# Altium PCB SoBQ.PcbDoc (part 4 of 4)
Units mil, origin at the board's own origin, x right, y up, seen from the top; angles counter-clockwise.
Board outline 16169.25 x 5124.03 mil, 2 copper layers (L1, L2), stack 62.8 mil thick; 313 components, 247 nets, 1579 pads, 489 vias.
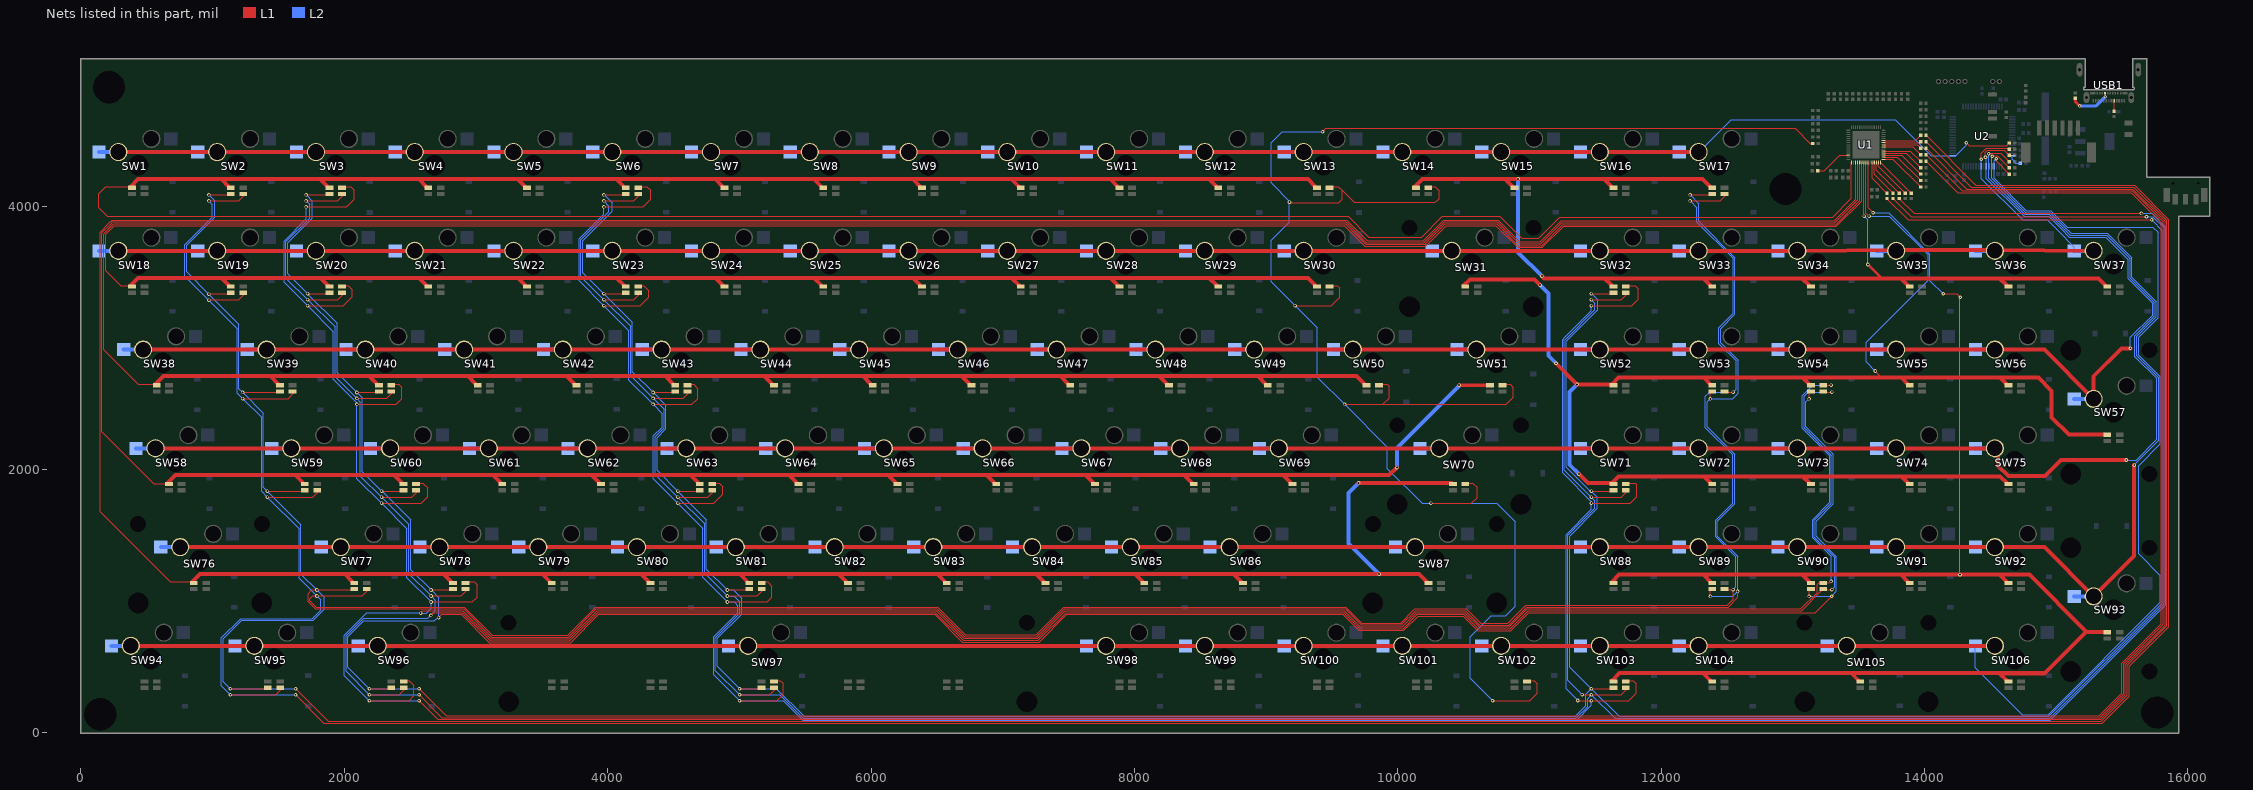
[diagram p4: the nets of this part, all layers, seen from the top]

## Via types
v1: diameter 27, hole 15, L1 to L2, 406 vias
v2: diameter 27, hole 13, L1 to L2, tented both sides, 41 vias
v3: diameter 27, hole 13, L1 to L2, 36 vias
v4: diameter 20, hole 10, L1 to L2, 4 vias
v5: diameter 30, hole 15, L1 to L2, 2 vias

## Nets (pads, with @x,y where several pads share a name; then routed paths per layer and width w, separated by ;. In a path a pad name is that pad's centre, name@x,y a point inside that pad or via, vN(x,y) a via of type N, cw(c..) or ccw(c..) an arc to the next point about the centre after c; other vN are vias at no path point) (continued)
NetR27_2: R27.2 SW13.B SW14.B SW30.B SW50.B SW51.B SW70.B SW102.B | length 14686.5
  L1 w8: v1(9178,4032) 9181.5,4028.5 9553.5,4028.5 9577,4052 9577,4121 ; v1(9221,3244.98) 9493.98,3244.98 9559,3310 9559,3380 9542,3397 SW30.B@9494.05,3397 ; v1(9429,4566) 9453.9,4590.9 13018,4590.9 13132.62,4476.27 R27.2@13150.72,4476.27 ; SW13.B@9497.05,4150 9548,4150 9577,4121 ; v1(9596,2494.98) 9887.98,2494.98 ; SW50.B@9869.05,2647 9920,2647 9934,2633 9934,2541 9887.98,2494.98 ; SW14.B@10244.05,4147 10286,4147 10314,4119 10314,4059 10285,4030 9668,4030 9577,4121 ; v1(10252.25,1744.98) 10559.98,1744.98 10602,1787 10602,1866 10571,1897 SW70.B@10525.3,1897 ; v1(10721,244.98) 11003.98,244.98 11061,302 11061,373 11037,397 SW102.B@10994.05,397 ; SW51.B@10806.55,2647 10855,2647 10879,2623 10879,2550 10823.98,2494.98 9887.98,2494.98
  L2 w8: v1(9429,4566) 9124.4,4566 9039,4480.6 9039,4176.98 9183.98,4032 v1(9178,4032) 9178,3879.6 9040,3741.6 9040,3425.98 v1(9221,3244.98) 9389,3076.98 9389,2701.98 v1(9596,2494.98) 9922,2168.98 9922,2007.4 10184.43,1744.98 v1(10252.25,1744.98) 10752.02,1744.98 10893,1604 10893,963 10822,892 10708.4,892 10549,732.6 10549,416.98 v1(10721,244.98)
NetR28_1: R28.1 SW2.G SW17.G SW19.G SW39.G SW53.G SW59.G SW77.G SW89.G SW95.G | length 43143.4
  L1 w8: v1@971,3290.48 1198.55,3290.48 SW19.G@1244.05,3335.98 ; v1(971,4040.48) 1198.55,4040.48 SW2.G@1244.05,4085.98 ; v1(1135.34,290.48) 1480.18,290.48 SW95.G@1525.68,335.98 ; v1(1228.71,2540) 1573.08,2540 SW39.G@1619.05,2585.98 ; v1(1416.21,1790.48) 1761.05,1790.48 SW59.G@1806.55,1835.98 ; v1(1630.38,290.48) 1845.85,75 15348.99,75 15554,280.01 15554,507.01 15855,808.01 15855,3899.23 15595.23,4159 14391.35,4159 R28.1@14012.11,4538.23 ; SW77.G@2182.05,1085.98 2136.55,1040.48 v1(1791.71,1040.48) 1760.48,1040.48 1739,1019 1739,1002.85 1785.85,956 2912.2,956 3125.2,743 3695.4,743 3908.4,956 6506,956 6716,746 7254,746 7464,956 9606.2,956 9727.2,835 10022.8,835 10130.8,943 10520.2,943 10629.2,834 10836.8,834 10972.8,970 12503,970 12547,1014 v1(12547,1089) SW89.G@12497.08,1089 ; v1(12221,4040.48) 12448.55,4040.48 SW17.G@12494.05,4085.98 ; SW53.G@12497.08,2589 v1(12547,2589)
  L2 w8: v1@979.52,4040.48 v1(971,4040.48) 998,4013.48 998,3917.8 789,3708.8 789,3468 1186,3071 1186,2582 v1@1228.36,2539.64 ; v1(1228.71,2540) 1372,2396.71 1372,1834.69 v1(1416.21,1790.48) 1657,1549.69 1657,1175.19 v1(1791.71,1040.48) 1819.86,1012.33 1819.86,931.66 1757.2,869 1214.2,869 1067,721.8 1067,358.82 v1(1135.34,290.48) v1(1630.38,290.48) ; v1(12221,4040.48) 12272,3989.48 12272,3879.8 12547,3604.8 12547,3186.2 12438,3077.2 12438,2957.8 12570,2825.8 12570,2612 v1(12547,2589) 12368,2589 12336,2557 12336,2319.8 12544,2111.8 12544,1745.2 12414,1615.2 12414,1489.8 12567,1336.8 12567,1109 v1(12547,1089)
  other v1: 971,3287.5
NetR28_2: R28.2 U1.40 | length 297.8
  L1 w8: U1.40@13689.44,4498.5 13931.04,4498.5 R28.2@13970.78,4538.23
NetR29_1: R29.1 SW2.R SW17.R SW19.R SW39.R SW53.R SW59.R SW77.R SW89.R SW95.R | length 42499.8
  L1 w8: v1@971,3335.98 SW19.R@1125.94,3335.98 ; v1(971,4085.98) SW2.R@1125.94,4085.98 ; v1(1135.34,335.98) SW95.R@1407.57,335.98 ; v1(1228.71,2587) 1499.92,2587 SW39.R@1500.94,2585.98 ; v1(1416.21,1835.98) SW59.R@1688.44,1835.98 ; v1(1630.38,335.98) 1877.35,89 15343.2,89 15540,285.8 15540,512.8 15841,813.8 15841,3893.43 15589.43,4145 14356.42,4145 R29.1@14012.11,4489.31 ; SW77.R@2063.94,1085.98 v1(1791.71,1085.98) 1751.98,1085.98 1725,1059 1725,997.05 1780.05,942 2906.4,942 3119.4,729 3701.2,729 3914.2,942 6500.2,942 6710.2,732 7259.8,732 7469.8,942 9600.4,942 9721.4,821 10028.6,821 10136.6,929 10514.4,929 10623.4,820 10842.6,820 10978.6,956 12508.8,956 12582,1029.2 v1(12582,1075) ; v1(12221,4085.98) SW17.R@12375.94,4085.98 ; v1(12374,1038) SW89.R@12374,1079.97 ; v1(12374,2538) SW53.R@12374,2579.97
  L2 w8: v1(971,4085.98) 1015,4041.98 1015,3915 803,3703 803,3501 v1(971,3333) 1200,3104 1200,2615.71 v1(1228.71,2587) 1386,2429.71 1386,1866.19 v1(1416.21,1835.98) 1671,1581.19 1671,1206.69 v1(1791.71,1085.98) 1848,1029.69 1848,940 1763,855 1220,855 1081,716 1081,390.32 v1(1135.34,335.98) v1(1630.38,335.98) ; v1(12221,4085.98) 12286,4020.98 12286,3885.6 12561,3610.6 12561,3180.4 12452,3071.4 12452,2963.6 12585,2830.6 12585,2580 12543,2538 v1(12374,2538) 12350,2514 12350,2325.6 12558,2117.6 12558,1739.4 12428,1609.4 12428,1495.6 12582,1341.6 v1(12582,1075) 12545,1038 v1(12374,1038)
NetR29_2: R29.2 U1.39 | length 284.1
  L1 w8: U1.39@13689.44,4482.75 13964.22,4482.75 R29.2@13970.78,4489.31
NetR30_1: R30.1 SW3.B SW20.B SW40.B SW54.B SW60.B SW78.B SW90.B SW96.B | length 40590
  L1 w8: v1(1721,3244.98) 1992.98,3244.98 2060,3312 2060,3367 2030,3397 SW20.B@1994.05,3397 ; v1@1721,3994.98 2019.98,3994.98 2077,4052 2077,4121 2048,4150 SW3.B@1997.05,4150 ; v1(2096,2494.98) 2392.98,2494.98 2435,2537 2435,2627 2415,2647 SW40.B@2369.05,2647 ; v1(2190.13,244.98) 2492.98,244.98 2529,281 2529,361 2493,397 SW96.B@2463.18,397 ; v1(2283.5,1744.98) 2284.52,1746 2584,1746 2632,1794 2632,1862 2597,1897 SW60.B@2556.55,1897 ; v1(2567.88,244.98) 2709.85,103 15337.4,103 15526,291.6 15526,518.6 15827,819.6 15827,3887.63 15583.63,4131 14321.5,4131 R30.1@14012.11,4440.39 ; v1(2579,910) 2597,928 2900.6,928 3113.6,715 3707,715 3920,928 6494.4,928 6704.4,718 7265.6,718 7475.6,928 9594.6,928 9715.6,807 10034.4,807 10142.4,915 10508.6,915 10617.6,806 10848.4,806 10984.4,942 13061.23,942 13185,1065.77 13185,1127 13198.35,1140.35 SW90.B@13232.24,1140.35 13280.35,1140.35 v3(13291,1151) ; v1(2659,994.98) 2971.98,994.98 3009,1032 3009,1124 2986,1147 SW78.B@2932.05,1147 ; SW54.B@13243.05,2646 13248.05,2641 v1(13292,2641)
  L2 w8: v1(1711,3994.98) 1711,3903.6 1543,3735.6 1543,3422.98 v1(1721,3244.98) 1917,3048.98 1917,2686.24 2096,2507.24 v1(2096,2494.98) 2096,1932.48 v1(2283.5,1744.98) 2476,1552.48 2476,1177.98 v1(2659,994.98) 2659,946 2623,910 v1(2579,910) ; v1(2567.88,244.98) v1(2190.13,244.98) 1999,436.1 1999,742.6 2171.38,914.98 v1@2579,914.98 ; v3(13291,1151) 13291,1341 13150,1482 13150,1621 13280,1751 13280,2105 13072,2313 13072,2562.8 13150.2,2641 v1(13292,2641)
NetR30_2: R30.2 U1.38 | length 292.4
  L1 w8: U1.38@13689.44,4467 13944.16,4467 R30.2@13970.78,4440.39
NetR31_1: R31.1 SW3.G SW20.G SW40.G SW54.G SW60.G SW78.G SW90.G SW96.G | length 39100.5
  L1 w8: v1(1721,3290.48) 1948.55,3290.48 SW20.G@1994.05,3335.98 ; v1@1721,4040.48 1948.55,4040.48 SW3.G@1994.05,4085.98 ; v1(2096,2540.48) 2323.55,2540.48 SW40.G@2369.05,2585.98 ; v1(2190.13,290.48) 2417.68,290.48 SW96.G@2463.18,335.98 ; v1(2283.5,1790.48) 2511.05,1790.48 SW60.G@2556.55,1835.98 ; v1(2567.88,290.48) 2741.35,117 15331.6,117 15512,297.4 15512,524.4 15813,825.4 15813,3881.83 15577.83,4117 14286.58,4117 R31.1@14012.11,4391.46 ; v1(2657,894) 2677,914 2894.8,914 3107.8,701 3712.8,701 3925.8,914 6488.6,914 6698.6,704 7271.4,704 7481.4,914 9588.8,914 9709.8,793 10040.2,793 10148.2,901 10502.8,901 10611.8,792 10854.2,792 10990.2,928 13067.03,928 13225.01,1085.98 SW90.G@13244.05,1085.98 ; v1(2659,1040.48) 2886.55,1040.48 SW78.G@2932.05,1085.98 ; SW90.G@13247.08,1089 v1(13297,1089) ; SW54.G@13247.08,2589 v1(13297,2589)
  L2 w8: v1(1711,4040.48) 1737,4014.48 1737,3909.8 1557,3729.8 1557,3454.48 v1(1721,3290.48) 1722.52,3292 1931,3083.52 1931,2705.48 v1(2096,2540.48) 2123,2513.48 2123,1950.98 v1(2283.5,1790.48) 2490,1583.98 2490,1209.48 v1(2659,1040.48) 2692,1007.48 2692,929 v1(2657,894) 2635,872 2148.2,872 2013,736.8 2013,467.6 v1(2190.13,290.48) v1(2567.88,290.48) ; v1(13297,1089) 13317,1109 13317,1334.8 13164,1487.8 13164,1615.2 13294,1745.2 13294,2110.8 13086,2318.8 13086,2557 13118,2589 v1(13297,2589)
NetR31_2: R31.2 U1.37 | length 306.1
  L1 w8: U1.37@13689.44,4451.25 13910.99,4451.25 R31.2@13970.78,4391.46
NetR32_1: R32.1 SW3.R SW20.R SW40.R SW54.R SW60.R SW78.R SW90.R SW96.R | length 38250.8
  L1 w8: v1(1721,3335.98) SW20.R@1875.94,3335.98 ; v1@1721,4085.98 SW3.R@1875.94,4085.98 ; v1(2096,2585.98) SW40.R@2250.94,2585.98 ; v1(2190.13,335.98) SW96.R@2345.07,335.98 ; v1(2283.5,1835.98) SW60.R@2438.44,1835.98 ; v1(2567.88,335.98) 2772.85,131 15325.8,131 15498,303.2 15498,530.2 15799,831.2 15799,3876.03 15572.03,4103 14251.65,4103 R32.1@14012.11,4342.54 ; v1(2659,1085.98) SW78.R@2813.94,1085.98 ; v1(2716,876) 2740,900 2889,900 3102,687 3718.6,687 3931.6,900 6482.8,900 6692.8,690 7277.2,690 7487.2,900 9583,900 9704,779 10045.99,779 10153.99,887 10497.01,887 10606.01,778 10860,778 10996,914 13171,914 v3(13295,1038) ; v1(13124,1038) SW90.R@13124,1079.97 ; v1(13124,2538) SW54.R@13124,2579.97
  L2 w8: v1(1711,4085.98) 1757,4039.98 1757,3910 1571,3724 1571,3485.98 v1(1721,3335.98) 1728.02,3343 1728.02,3328.95 1945,3111.98 1945,2736.98 v1(2096,2585.98) 2137,2544.98 2137,1982.48 v1(2283.5,1835.98) 2285.52,1838 2504,1619.52 2504,1240.98 v1(2659,1085.98) 2716,1028.98 v1(2716,876) ; v1(2567.88,335.98) v1(2190.13,335.98) 2027,499.1 2027,731 2147,851 2685,851 v1@2713,879 ; v1(13124,1038) v3(13295,1038) 13332,1075 13332,1339.6 13178,1493.6 13178,1609.4 13308,1739.4 13308,2116.6 13100,2324.6 13100,2514 v1(13124,2538)
NetR32_2: R32.2 U1.35 | length 313.3
  L1 w8: U1.35@13689.44,4419.76 13893.56,4419.76 R32.2@13970.78,4342.54
NetR33_2: R33.2 U1.34 | length 327.1
  L1 w8: U1.34@13689.44,4404.01 13860.38,4404.01 R33.2@13970.78,4293.62
NetR35_1: R35.1 U1.13 | length 282.2
  L1 w8: R35.1@13188.91,4270 13240.5,4270 13358.5,4388 13421.85,4388 U1.13@13422.11,4388.26
NetR36_2: R36.2 U1.33 | length 340.8
  L1 w8: U1.33@13689.44,4388.26 13827.21,4388.26 R36.2@13970.78,4244.69
NetR37_2: R37.2 U1.32 | length 354.5
  L1 w8: U1.32@13689.44,4372.51 13794.03,4372.51 R37.2@13970.78,4195.77
NetR38_2: R38.2 U1.31 | length 368.3
  L1 w8: U1.31@13689.44,4356.76 13760.86,4356.76 R38.2@13970.78,4146.85
NetR39_2: R39.2 SW94.1 SW95.1 SW96.1 SW97.1 SW98.1 SW99.1 SW100.1 SW101.1 SW102.1 SW103.1 SW104.1 SW105.1 SW106.1 U2.20 | length 22950.3
  L1 w8: v2(14544.49,4360) 14544.49,4344.13 R39.2@14644.62,4244
  L1 w30: SW94.1@379.13,662 SW95.1@1316.63,662 SW96.1@2254.13,662 SW98.1@7785,662 SW99.1@8535,662 SW100.1@9285,662 SW101.1@10035,662 SW102.1@10785,662 SW103.1@11535,662 SW104.1@12285,662 SW105.1@13410,662 SW106.1@14535,662
  L2 w8: SW106.1@14387.36,662 14387.36,496.64 14744.5,139.5 14939.5,139.5 15792,992 15792,1195 15626,1361 15626,2030.2 15792,2196.2 15792,2704.4 15626,2870.4 15626,3007 15774,3155 15774,3801 15734.1,3840.9 15086.08,3840.9 14960.98,3966 14774.29,3966 14529.08,4211.21 U2.20@14529.08,4304.62 14529.08,4344.58 v2(14544.49,4360)
  L2 w30: SW94.1@231.49,662 SW94.1@379.13,662 ; SW95.1@1168.99,662 SW95.1@1316.63,662 ; SW96.1@2106.49,662 SW96.1@2254.13,662 ; SW97.1@4918.61,662 SW97.1@5066.25,662 ; SW98.1@7637.36,662 SW98.1@7785,662 ; SW99.1@8387.36,662 SW99.1@8535,662 ; SW100.1@9137.36,662 SW100.1@9285,662 ; SW101.1@9887.36,662 SW101.1@10035,662 ; SW102.1@10637.36,662 SW102.1@10785,662 ; SW103.1@11387.36,662 SW103.1@11535,662 ; SW104.1@12137.36,662 SW104.1@12285,662 ; SW105.1@13262.36,662 SW105.1@13410,662 ; SW106.1@14387.36,662 SW106.1@14535,662
NetR40_1: R40.1 U1.26 | length 279.9
  L1 w8: U1.26@13603.02,4333.34 13603.02,4212.39 R40.1@13715.39,4100.02
NetR40_2: R40.2 SW6.R SW23.R SW32.R SW43.R SW63.R SW71.R SW81.R SW97.R SW103.R | length 25871.9
  L1 w8: v1(3971,3335.98) SW23.R@4125.94,3335.98 ; v1(3971,4085.98) SW6.R@4125.94,4085.98 ; v1(4346,2585.98) SW43.R@4500.94,2585.98 ; v1(4533.5,1835.98) SW63.R@4688.44,1835.98 ; v1(4909,1085.98) SW81.R@5063.94,1085.98 ; v1(5002.25,335.98) SW97.R@5157.19,335.98 ; v1(11471,335.98) SW103.R@11625.94,335.98 ; v1(11471,1835.98) SW71.R@11625.94,1835.98 ; v1(11471,3335.98) SW32.R@11625.94,3335.98 ; R40.2@13715.39,4058.69 13876.55,3897.53 v2(15724.47,3897.53)
  L2 w8: v1(3971,4085.98) 3973.02,4088 4034,4027.02 4034,3963 3811,3740 3811,3495.98 v1(3971,3335.98) 4188,3118.98 4188,2743.98 v1(4346,2585.98) 4443,2488.98 4443,2312 4375,2244 4375,1994.48 v1(4533.5,1835.98) 4750,1619.48 4750,1244.98 v1(4909,1085.98) 4954.02,1085.98 5017,1023 5017,902 4833,718 4833,505.23 v1(5002.25,335.98) 5281.68,335.98 5492.16,125.5 11347.9,125.5 11428,205.6 11428,292.98 v1(11471,335.98) ; v1(11471,3335.98) 11472.02,3337 11520,3289.02 11520,3214.59 11281.41,2976 11280,2976 11280,2017 11461.02,1835.98 v1(11471,1835.98) 11517,1789.98 11517,1706 11306,1495 11306,500.98 v1(11471,335.98) ; v2(15724.47,3897.53) 15806,3816 15806,986.2 14945.3,125.5 11681.48,125.5 v1(11471,335.98)
NetR41_1: R41.1 U1.27 | length 292.4
  L1 w8: U1.27@13618.77,4333.34 13618.77,4242.65 R41.1@13761.39,4100.02
NetR41_2: R41.2 SW6.G SW23.G SW32.G SW43.G SW63.G SW71.G SW81.G SW97.G SW103.G | length 27065.7
  L1 w8: v1(3971,3290.48) 4198.55,3290.48 SW23.G@4244.05,3335.98 ; v1(3971,4040.48) 4198.55,4040.48 SW6.G@4244.05,4085.98 ; v1(4346,2540.48) 4573.55,2540.48 SW43.G@4619.05,2585.98 ; v1(4533.5,1790.48) 4761.05,1790.48 SW63.G@4806.55,1835.98 ; v1(4909,1040.48) 5136.55,1040.48 SW81.G@5182.05,1085.98 ; v1(5002.25,290.48) 5229.8,290.48 SW97.G@5275.3,335.98 ; v1(11401,291) 11401.52,290.48 v1(11471,290.48) 11698.55,290.48 SW103.G@11744.05,335.98 ; v1(11471,1790.48) 11698.55,1790.48 SW71.G@11744.05,1835.98 ; v1(11471,3290.48) 11698.55,3290.48 SW32.G@11744.05,3335.98 ; R41.2@13761.39,4058.69 13898.59,3921.49 v2(15686.15,3921.49)
  L2 w8: v1(3971,4040.48) 4010.09,4001.38 4010.09,3958.89 3797,3745.8 3797,3464.48 v1(3971,3290.48) 4174,3087.48 4174,2738.18 4175,2737.18 4175,2711.48 v1(4346,2540.48) 4429,2457.48 4429,2317.8 4361,2249.8 4361,1962.98 v1(4533.5,1790.48) 4736,1587.98 4736,1213.48 v1(4909,1040.48) 4910.17,1039.31 4960.69,1039.31 5003,997 5003,907.8 4819,723.8 4819,473.73 v1(5002.25,290.48) 5307.38,290.48 5486.36,111.5 11353.7,111.5 11442,199.8 11442,261.48 v1(11471,290.48) 11649.98,111.5 14951.1,111.5 15820,980.4 15820,3835.23 15734.2,3921.03 15686.6,3921.03 v2(15686.15,3921.49) ; v1(11401,291) 11292,400 11292,1500.8 11498,1706.8 11498,1763.48 v1(11471,1790.48) 11266,1995.48 11266,2981.8 11274.2,2990 11275.61,2990 11498,3212.39 11498,3263.48 v1(11471,3290.48)
NetR42_1: R42.1 U1.28 | length 304.9
  L1 w8: U1.28@13634.52,4333.34 13634.52,4272.9 R42.1@13807.39,4100.02
NetR42_2: R42.2 SW6.B SW23.B SW32.B SW43.B SW63.B SW71.B SW81.B SW97.B SW103.B | length 29072.5
  L1 w8: v1(3971,3244.98) 4245.98,3244.98 4312,3311 4312,3360 4275,3397 SW23.B@4244.05,3397 ; v1(3971,3994.98) 4269.98,3994.98 4327,4052 4327,4121 4298,4150 SW6.B@4247.05,4150 ; v1(4346,2494.98) 4639.98,2494.98 4684,2539 4684,2616 4653,2647 SW43.B@4619.05,2647 ; v1(4533.5,1744.98) 4804.98,1744.98 4873,1813 4873,1871 4847,1897 SW63.B@4806.55,1897 ; v1(4909,994.98) 5212.98,994.98 5248,1030 5248,1115 5216,1147 SW81.B@5182.05,1147 ; v1(5002.25,244.98) 5285.98,244.98 5332,291 5332,377 5312,397 SW97.B@5275.3,397 ; v1(11367,247) 11369.02,244.98 v1(11471,244.98) 11753.98,244.98 11812,303 11812,374 11789,397 SW103.B@11744.05,397 ; v1(11471,1744.98) 11765.98,1744.98 11816,1795 11816,1885 11804,1897 SW71.B@11744.05,1897 ; v1(11471,3244.98) 11777.98,3244.98 11826,3293 11826,3373 11802,3397 SW32.B@11744.05,3397 ; R42.2@13807.39,4058.69 13920.64,3945.44 v2(15647.82,3945.44)
  L2 w8: v1(3971,3994.98) 3971,3939.6 3783,3751.6 3783,3432.98 v1(3971,3244.98) 4160,3055.98 4160,2732.38 4161,2731.38 4161,2679.98 v1(4346,2494.98) 4415,2425.98 4415,2323.6 4347,2255.6 4347,1931.48 v1(4533.5,1744.98) 4722,1556.48 4722,1181.98 v1(4909,994.98) 4961.02,994.98 4989,967 4989,913.6 4805,729.6 4805,442.23 v1(5002.25,244.98) 5333.08,244.98 5480.56,97.5 11359.5,97.5 ; v1(11367,247) 11278,336 11278,1506.6 11471,1699.6 v1(11471,1744.98) 11471,1757.24 11252,1976.24 11252,2987.6 11268.4,3004 11269.82,3004 11471,3205.18 v1(11471,3244.98) ; v1(11471,244.98) 11471,209 11359.5,97.5 ; v2(15647.82,3945.44) 15729.59,3945.44 15834,3841.03 15834,974.6 14956.9,97.5 11359.5,97.5
NetR43_1: R43.1 U1.29 | length 317.5
  L1 w8: U1.29@13650.26,4333.34 13650.26,4303.15 R43.1@13853.39,4100.02
NetR44_1: R44.1 U1.30 | length 330
  L1 w8: U1.30@13666.01,4333.34 13666.08,4333.34 R44.1@13899.39,4100.02
NetR45_2: R45.2 SW76.1 SW77.1 SW78.1 SW79.1 SW80.1 SW81.1 SW82.1 SW83.1 SW84.1 SW85.1 SW86.1 SW87.1 SW88.1 SW89.1 SW90.1 SW91.1 SW92.1 SW93.1 U2.21 | length 21982.1
  L1 w8: v2(14515.83,4379.67) 14519.66,4383.5 14554.23,4383.5 14644.62,4293.11 R45.2@14644.62,4291.4
  L1 w30: SW76.1@754.14,1412 SW77.1@1973,1412 SW78.1@2723,1412 SW79.1@3473,1412 SW80.1@4223,1412 SW81.1@4973,1412 SW82.1@5723,1412 SW83.1@6473,1412 SW84.1@7223,1412 SW85.1@7973,1412 SW86.1@8723,1412 SW87.1@10131.5,1412 SW88.1@11535,1412 SW89.1@12285,1412 SW90.1@13035,1412 SW91.1@13785,1412 SW92.1@14535,1412 14910,1412 SW93.1@15285,1037 15584,1336 15593,1345 v2(15593,2035)
  L2 w8: v2(14515.83,4379.67) 14509.39,4373.23 U2.21@14509.39,4304.62 14509.39,4211.1 14768.49,3952 14955.18,3952 15062.83,3844.35 15062.83,3844.17 15113,3794 15389.4,3794 15576,3607.4 15576,3460 15760,3276 15760,3160.8 15612,3012.8 15612,2864.6 15778,2698.6 15778,2223.4 15593,2038.4 v2(15593,2035)
  L2 w30: SW76.1@606.5,1412 SW76.1@754.14,1412 ; SW77.1@1825.36,1412 SW77.1@1973,1412 ; SW78.1@2575.36,1412 SW78.1@2723,1412 ; SW79.1@3325.36,1412 SW79.1@3473,1412 ; SW80.1@4075.36,1412 SW80.1@4223,1412 ; SW81.1@4825.36,1412 SW81.1@4973,1412 ; SW82.1@5575.36,1412 SW82.1@5723,1412 ; SW83.1@6325.36,1412 SW83.1@6473,1412 ; SW84.1@7075.36,1412 SW84.1@7223,1412 ; SW85.1@7825.36,1412 SW85.1@7973,1412 ; SW86.1@8575.36,1412 SW86.1@8723,1412 ; SW87.1@9983.86,1412 SW87.1@10131.5,1412 ; SW88.1@11387.36,1412 SW88.1@11535,1412 ; SW89.1@12137.36,1412 SW89.1@12285,1412 ; SW90.1@12887.36,1412 SW90.1@13035,1412 ; SW91.1@13637.36,1412 SW91.1@13785,1412 ; SW92.1@14387.36,1412 SW92.1@14535,1412 ; SW93.1@15137.36,1037 SW93.1@15285,1037
NetR47_2: R47.2 SW58.1 SW59.1 SW60.1 SW61.1 SW62.1 SW63.1 SW64.1 SW65.1 SW66.1 SW67.1 SW68.1 SW69.1 SW70.1 SW71.1 SW72.1 SW73.1 SW74.1 SW75.1 U2.22 | length 21399.7
  L1 w8: v2(14487.16,4399.33) 14491,4403.17 14580.25,4403.17 R47.2@14644.62,4338.8
  L1 w30: SW58.1@566.25,2162 SW59.1@1597.5,2162 SW60.1@2347.5,2162 SW61.1@3097.5,2162 SW62.1@3847.5,2162 SW63.1@4597.5,2162 SW64.1@5347.5,2162 SW65.1@6097.5,2162 SW66.1@6847.5,2162 SW67.1@7597.5,2162 SW68.1@8347.5,2162 SW69.1@9097.5,2162 SW70.1@10316.25,2162 SW71.1@11535,2162 SW72.1@12285,2162 SW73.1@13035,2162 SW74.1@13785,2162 SW75.1@14535,2162 14560,2137 14560,2029 14638,1951 14916,1951 15038,2073 v2(15532.86,2073)
  L2 w8: v2(14487.16,4399.33) 14489.71,4396.79 U2.22@14489.71,4304.62 14489.71,4210.98 14762.69,3938 14949.38,3938 15048.83,3838.55 15048.83,3838.37 15107.2,3780 15383.6,3780 15562,3601.6 15562,3454.2 15746,3270.2 15746,3166.6 15598,3018.6 15598,2858.8 15764,2692.8 15764,2229.2 15607.8,2073 v2(15532.86,2073)
  L2 w30: SW58.1@418.61,2162 SW58.1@566.25,2162 ; SW59.1@1449.86,2162 SW59.1@1597.5,2162 ; SW60.1@2199.86,2162 SW60.1@2347.5,2162 ; SW61.1@2949.86,2162 SW61.1@3097.5,2162 ; SW62.1@3699.86,2162 SW62.1@3847.5,2162 ; SW63.1@4449.86,2162 SW63.1@4597.5,2162 ; SW64.1@5199.86,2162 SW64.1@5347.5,2162 ; SW65.1@5949.86,2162 SW65.1@6097.5,2162 ; SW66.1@6699.86,2162 SW66.1@6847.5,2162 ; SW67.1@7449.86,2162 SW67.1@7597.5,2162 ; SW68.1@8199.86,2162 SW68.1@8347.5,2162 ; SW69.1@8949.86,2162 SW69.1@9097.5,2162 ; SW70.1@10168.61,2162 SW70.1@10316.25,2162 ; SW71.1@11387.36,2162 SW71.1@11535,2162 ; SW72.1@12137.36,2162 SW72.1@12285,2162 ; SW73.1@12887.36,2162 SW73.1@13035,2162 ; SW74.1@13637.36,2162 SW74.1@13785,2162 ; SW75.1@14387.36,2162 SW75.1@14535,2162
NetR48_2: R48.2 SW38.1 SW39.1 SW40.1 SW41.1 SW42.1 SW43.1 SW44.1 SW45.1 SW46.1 SW47.1 SW48.1 SW49.1 SW50.1 SW51.1 SW52.1 SW53.1 SW54.1 SW55.1 SW56.1 SW57.1 U2.23 | length 21026.6
  L1 w8: v2(14463.5,4373) 14463.5,4410 14478.5,4425 14605.82,4425 R48.2@14644.62,4386.2
  L1 w30: SW38.1@472.5,2912 SW39.1@1410,2912 SW40.1@2160,2912 SW41.1@2910,2912 SW42.1@3660,2912 SW43.1@4410,2912 SW44.1@5160,2912 SW45.1@5910,2912 SW46.1@6660,2912 SW47.1@7410,2912 SW48.1@8160,2912 SW49.1@8910,2912 SW50.1@9660,2912 SW51.1@10597.5,2912 SW52.1@11535,2912 SW53.1@12285,2912 SW54.1@13035,2912 SW55.1@13785,2912 SW56.1@14535,2912 14910,2912 SW57.1@15285,2537 ; SW57.1@15291,2543 SW57.1@15285,2537 ; v3(15564,2921) 15497,2921 15285,2709 SW57.1@15285,2537
  L2 w8: v2(14463.5,4373) 14470.02,4366.47 U2.23@14470.02,4304.62 14470.02,4210.87 14756.89,3924 14943.59,3924 15034.83,3832.75 15034.83,3832.57 15101.4,3766 15377.8,3766 15548,3595.8 15548,3448.4 15732,3264.4 15732,3172.4 15564,3004.4 v3(15564,2921)
  L2 w30: SW38.1@324.86,2912 SW38.1@472.5,2912 ; SW39.1@1262.36,2912 SW39.1@1410,2912 ; SW40.1@2012.36,2912 SW40.1@2160,2912 ; SW41.1@2762.36,2912 SW41.1@2910,2912 ; SW42.1@3512.36,2912 SW42.1@3660,2912 ; SW43.1@4262.36,2912 SW43.1@4410,2912 ; SW44.1@5012.36,2912 SW44.1@5160,2912 ; SW45.1@5762.36,2912 SW45.1@5910,2912 ; SW46.1@6512.36,2912 SW46.1@6660,2912 ; SW47.1@7262.36,2912 SW47.1@7410,2912 ; SW48.1@8012.36,2912 SW48.1@8160,2912 ; SW49.1@8762.36,2912 SW49.1@8910,2912 ; SW50.1@9512.36,2912 SW50.1@9660,2912 ; SW51.1@10449.86,2912 SW51.1@10597.5,2912 ; SW52.1@11387.36,2912 SW52.1@11535,2912 ; SW53.1@12137.36,2912 SW53.1@12285,2912 ; SW54.1@12887.36,2912 SW54.1@13035,2912 ; SW55.1@13637.36,2912 SW55.1@13785,2912 ; SW56.1@14387.36,2912 SW56.1@14535,2912 ; SW57.1@15137.36,2537 SW57.1@15285,2537
NetR49_2: R49.2 SW18.1 SW19.1 SW20.1 SW21.1 SW22.1 SW23.1 SW24.1 SW25.1 SW26.1 SW27.1 SW28.1 SW29.1 SW30.1 SW31.1 SW32.1 SW33.1 SW34.1 SW35.1 SW36.1 SW37.1 U2.25 | length 19328.3
  L1 w8: v2(14430.5,4358) 14430.5,4401.94 14469.55,4441 14637.22,4441 R49.2@14644.62,4433.6
  L1 w30: SW18.1@285,3662 SW19.1@1035,3662 SW20.1@1785,3662 SW21.1@2535,3662 SW22.1@3285,3662 SW23.1@4035,3662 SW24.1@4785,3662 SW25.1@5535,3662 SW26.1@6285,3662 SW27.1@7035,3662 SW28.1@7785,3662 SW29.1@8535,3662 SW30.1@9285,3662 SW31.1@10410,3662 SW32.1@11535,3662 SW33.1@12285,3662 SW34.1@13035,3662 13784.97,3666.96 13791,3667 14541,3667 SW37.1@15285,3662
  L2 w8: v2(14430.5,4358) 14430.65,4357.84 U2.25@14430.65,4304.62 14430.65,4210.64 14745.29,3896 14931.99,3896 15006.83,3821.15 15006.83,3820.97 15137.36,3690.44 SW37.1@15137.36,3662
  L2 w30: SW18.1@137.36,3662 SW18.1@285,3662 ; SW19.1@887.36,3662 SW19.1@1035,3662 ; SW20.1@1637.36,3662 SW20.1@1785,3662 ; SW21.1@2387.36,3662 SW21.1@2535,3662 ; SW22.1@3137.36,3662 SW22.1@3285,3662 ; SW23.1@3887.36,3662 SW23.1@4035,3662 ; SW24.1@4637.36,3662 SW24.1@4785,3662 ; SW25.1@5387.36,3662 SW25.1@5535,3662 ; SW26.1@6137.36,3662 SW26.1@6285,3662 ; SW27.1@6887.36,3662 SW27.1@7035,3662 ; SW28.1@7637.36,3662 SW28.1@7785,3662 ; SW29.1@8387.36,3662 SW29.1@8535,3662 ; SW30.1@9137.36,3662 SW30.1@9285,3662 ; SW31.1@10262.36,3662 SW31.1@10410,3662 ; SW32.1@11387.36,3662 SW32.1@11535,3662 ; SW33.1@12137.36,3662 SW33.1@12285,3662 ; SW34.1@12887.36,3662 SW34.1@13035,3662 ; SW35.1@13637.36,3662 SW35.1@13785,3662 ; SW36.1@14387.36,3662 SW36.1@14535,3662 ; SW37.1@15137.36,3662 SW37.1@15285,3662
NetR50_2: R50.2 SW1.1 SW2.1 SW3.1 SW4.1 SW5.1 SW6.1 SW7.1 SW8.1 SW9.1 SW10.1 SW11.1 SW12.1 SW13.1 SW14.1 SW15.1 SW16.1 SW17.1 U2.33 | length 17155.4
  L1 w8: v2(14318.5,4482) 14340.5,4460 14623.95,4460 14644.62,4480.67 R50.2@14644.62,4481
  L1 w30: SW1.1@285,4412 SW2.1@1035,4412 SW3.1@1785,4412 SW4.1@2535,4412 SW5.1@3285,4412 SW6.1@4035,4412 SW7.1@4785,4412 SW8.1@5535,4412 SW9.1@6285,4412 SW10.1@7035,4412 SW11.1@7785,4412 SW12.1@8535,4412 SW13.1@9285,4412 SW14.1@10035,4412 SW15.1@10785,4412 SW16.1@11535,4412 SW17.1@12285,4412
  L2 w8: SW17.1@12285,4412 12532,4659 13776.5,4659 14052.72,4382.78 U2.33@14213.74,4382.78 ; U2.33@14214.12,4383.36 14238.1,4383.36 14318.5,4463.76 v2(14318.5,4482)
  L2 w30: SW1.1@137.36,4412 SW1.1@285,4412 ; SW2.1@887.36,4412 SW2.1@1035,4412 ; SW3.1@1637.36,4412 SW3.1@1785,4412 ; SW4.1@2387.36,4412 SW4.1@2535,4412 ; SW5.1@3137.36,4412 SW5.1@3285,4412 ; SW6.1@3887.36,4412 SW6.1@4035,4412 ; SW7.1@4637.36,4412 SW7.1@4785,4412 ; SW8.1@5387.36,4412 SW8.1@5535,4412 ; SW9.1@6137.36,4412 SW9.1@6285,4412 ; SW10.1@6887.36,4412 SW10.1@7035,4412 ; SW11.1@7637.36,4412 SW11.1@7785,4412 ; SW12.1@8387.36,4412 SW12.1@8535,4412 ; SW13.1@9137.36,4412 SW13.1@9285,4412 ; SW14.1@9887.36,4412 SW14.1@10035,4412 ; SW15.1@10637.36,4412 SW15.1@10785,4412 ; SW16.1@11387.36,4412 SW16.1@11535,4412 ; SW17.1@12137.36,4412 SW17.1@12285,4412
NetR52_2: R52.2 U2.16 | length 101.1
  L2 w8: U2.16@14666.87,4383.36 14666.87,4355.62 14694.5,4328 R52.2@14728.83,4328
NetR53_2: R53.2 USB1.A5 | length 78.5
  L1 w6: R53.2@15439.5,4722.67 15440.02,4723.19 USB1.A5@15440.02,4801
NetR56_1: R56.1 USB1.B5 | length 325.2
  L1 w6: USB1.B5@15371.12,4861 USB1.B5@15371.12,4857.22 15371.12,4835.9 v4(15374.17,4832.84)
  L1 w20: R56.1@15145.17,4819.33 15145.17,4796 v2(15179.17,4762)
  L2 w25: v2(15179.17,4762) 15303.33,4762 v4(15374.17,4832.84)
NetSW1_A: SW1.A SW2.A SW3.A SW4.A SW5.A SW6.A SW7.A SW8.A SW9.A SW10.A SW11.A SW12.A SW13.A U1.16 | length 24270.6
  L1 w8: SW1.A@375.94,4147 188,4147 135,4094 135,3988.2 200.2,3923 9622.99,3923 9779.99,3766 10182,3766 10339,3923 10773.99,3923 10939.99,3757 11070.01,3757 11230.01,3917 13302.5,3917 13445.54,4060.04 U1.16@13445.54,4333.34
  L1 w30: SW1.A@375.94,4147 434.94,4206 1066.94,4206 ; SW2.A@1125.94,4147 1066.94,4206 ; SW3.A@1875.94,4147 1816.94,4206 ; SW4.A@2625.94,4147 2566.94,4206 ; SW5.A@3375.94,4147 3316.94,4206 ; SW6.A@4125.94,4147 4066.94,4206 ; SW7.A@4875.94,4147 4816.94,4206 ; SW8.A@5625.94,4147 5566.94,4206 ; SW9.A@6375.94,4147 6316.94,4206 ; SW10.A@7125.94,4147 7066.94,4206 ; SW11.A@7875.94,4147 7816.94,4206 ; SW12.A@8625.94,4147 8566.94,4206 ; SW13.A@9375.94,4147 9316.94,4206 8566.94,4206 ; 1066.94,4206 1816.94,4206 ; 1816.94,4206 2566.94,4206 ; 2566.94,4206 3316.94,4206 ; 3316.94,4206 4066.94,4206 ; 4066.94,4206 4816.94,4206 ; 4816.94,4206 5566.94,4206 ; 5566.94,4206 6316.94,4206 ; 6316.94,4206 7066.94,4206 ; 7066.94,4206 7816.94,4206 ; 7816.94,4206 8566.94,4206
NetSW14_A: SW14.A SW15.A SW16.A SW17.A SW32.A SW33.A SW34.A SW35.A SW36.A SW37.A U1.22 | length 8924.8
  L1 w8: U1.22@13540.03,4333.34 13540.03,3926.47 v1(13541.5,3925)
  L1 w20: v1(13571,3558) 13677,3452
  L1 w30: SW14.A@10125.94,4147 10186.94,4208 10814.94,4208 ; SW15.A@10875.94,4147 10814.94,4208 ; v1(11094,3470) 11112,3452 11570.94,3452 ; SW32.A@11625.94,3397 11570.94,3452 ; SW16.A@11625.94,4147 11564.94,4208 ; SW33.A@12375.94,3397 12320.94,3452 ; SW17.A@12375.94,4147 12314.94,4208 11564.94,4208 ; SW34.A@13125.94,3397 13070.94,3452 ; SW35.A@13875.94,3397 13820.94,3452 ; SW36.A@14625.94,3397 14570.94,3452 ; SW37.A@15375.94,3397 15320.94,3452 14570.94,3452 ; 10814.94,4208 v1(10914,4208) 11564.94,4208 ; 11570.94,3452 12320.94,3452 ; 12320.94,3452 13070.94,3452 ; 13070.94,3452 13677,3452 13820.94,3452 ; 13820.94,3452 14570.94,3452
  L2 w8: v1(13541.5,3925) 13569,3897.5 13569,3560 v1(13571,3558)
  L2 w30: v1(10914,4208) 10914,3650 v1(11094,3470)
NetSW18_A: SW18.A SW19.A SW20.A SW21.A SW22.A SW23.A SW24.A SW25.A SW26.A SW27.A SW28.A SW29.A SW30.A U1.21 | length 24463.6
  L1 w8: SW18.A@375.94,3397 302,3397 188,3511 188,3787 254,3853 9594,3853 9751,3696 10210.99,3696 10367.99,3853 10745,3853 10911,3687 11099,3687 11259,3847 13331.5,3847 13524.28,4039.78 U1.21@13524.28,4333.34
  L1 w30: SW18.A@375.94,3397 433.94,3455 1067.94,3455 ; SW19.A@1125.94,3397 1067.94,3455 ; SW20.A@1875.94,3397 1817.94,3455 ; SW21.A@2625.94,3397 2567.94,3455 ; SW22.A@3375.94,3397 3317.94,3455 ; SW23.A@4125.94,3397 4067.94,3455 ; SW24.A@4875.94,3397 4817.94,3455 ; SW25.A@5625.94,3397 5567.94,3455 ; SW26.A@6375.94,3397 6317.94,3455 ; SW27.A@7125.94,3397 7067.94,3455 ; SW28.A@7875.94,3397 7817.94,3455 ; SW29.A@8625.94,3397 8567.94,3455 ; SW30.A@9375.94,3397 9317.94,3455 8567.94,3455 ; 1067.94,3455 1817.94,3455 ; 1817.94,3455 2567.94,3455 ; 2567.94,3455 3317.94,3455 ; 3317.94,3455 4067.94,3455 ; 4067.94,3455 4817.94,3455 ; 4817.94,3455 5567.94,3455 ; 5567.94,3455 6317.94,3455 ; 6317.94,3455 7067.94,3455 ; 7067.94,3455 7817.94,3455 ; 7817.94,3455 8567.94,3455
NetSW31_A: SW31.A SW52.A SW53.A SW54.A SW55.A SW56.A SW57.A SW71.A SW72.A SW73.A SW74.A SW75.A U1.23 | length 12550.8
  L1 w8: U1.23@13555.78,4333.34 13555.78,3948.72 v1(13579.5,3925) ; v1(13627,2749) 13677,2699
  L1 w30: SW31.A@10500.94,3397 10548.94,3445 11037,3445 v1(11081,3401) ; v1(11202,2808) v1(11363,2647) 11625.94,2647 11677.94,2699 12323.94,2699 ; v1(11376,1966) 11445,1897 11625.94,1897 11677.94,1949 12323.94,1949 ; SW72.A@12375.94,1897 12323.94,1949 ; SW53.A@12375.94,2647 12323.94,2699 ; SW73.A@13125.94,1897 13073.94,1949 ; SW54.A@13125.94,2647 13073.94,2699 ; SW74.A@13875.94,1897 13823.94,1949 ; SW55.A@13875.94,2647 13823.94,2699 ; SW75.A@14625.94,1897 14573.94,1949 13823.94,1949 ; SW56.A@14625.94,2647 14573.94,2699 ; SW57.A@15369.29,2265.35 15096.65,2265.35 14966,2396 14966,2598 14865,2699 14573.94,2699 ; 12323.94,1949 13073.94,1949 ; 12323.94,2699 13073.94,2699 ; 13073.94,1949 13823.94,1949 ; 13073.94,2699 13677,2699 13823.94,2699 ; 13823.94,2699 14573.94,2699
  L2 w8: v1(13579.5,3925) 13734,3925 14028,3631 14028,3437.2 13557,2966.2 13557,2819 v1(13627,2749)
  L2 w30: v1(11081,3401) 11145,3337 11145,2865 v1(11202,2808) ; v1(11363,2647) 11305,2589 11305,2037 v1(11376,1966)
NetSW38_A: SW38.A SW39.A SW40.A SW41.A SW42.A SW43.A SW44.A SW45.A SW46.A SW47.A SW48.A SW49.A SW50.A U1.20 | length 25597.5
  L1 w8: SW38.A@563.44,2647 437,2647 173,2911 173,3791.97 236.03,3855 236.2,3855 248.2,3867 9599.8,3867 9756.8,3710 10205.2,3710 10362.2,3867 10750.8,3867 10916.8,3701 11093.2,3701 11253.2,3861 13325.7,3861 13508.53,4043.84 U1.20@13508.53,4333.34
  L1 w30: SW38.A@563.44,2647 626.44,2710 1437.94,2710 ; SW39.A@1500.94,2647 1437.94,2710 ; SW40.A@2250.94,2647 2187.94,2710 ; SW41.A@3000.94,2647 2937.94,2710 ; SW42.A@3750.94,2647 3687.94,2710 ; SW43.A@4500.94,2647 4437.94,2710 ; SW44.A@5250.94,2647 5187.94,2710 ; SW45.A@6000.94,2647 5937.94,2710 ; SW46.A@6750.94,2647 6687.94,2710 ; SW47.A@7500.94,2647 7437.94,2710 ; SW48.A@8250.94,2647 8187.94,2710 ; SW49.A@9000.94,2647 8937.94,2710 ; SW50.A@9750.94,2647 9687.94,2710 8937.94,2710 ; 1437.94,2710 2187.94,2710 ; 2187.94,2710 2937.94,2710 ; 2937.94,2710 3687.94,2710 ; 3687.94,2710 4437.94,2710 ; 4437.94,2710 5187.94,2710 ; 5187.94,2710 5937.94,2710 ; 5937.94,2710 6687.94,2710 ; 6687.94,2710 7437.94,2710 ; 7437.94,2710 8187.94,2710 ; 8187.94,2710 8937.94,2710
NetSW51_A: SW51.A SW58.A SW59.A SW60.A SW61.A SW62.A SW63.A SW64.A SW65.A SW66.A SW67.A SW68.A SW69.A U1.19 | length 27534.5
  L1 w8: SW58.A@657.19,1897 654.19,1894 552,1894 159,2287 159,3797.77 230.23,3869 230.4,3869 242.4,3881 9605.6,3881 9762.6,3724 10199.4,3724 10356.4,3881 10756.6,3881 10922.6,3715 11087.4,3715 11247.4,3875 13319.9,3875 13492.78,4047.89 U1.19@13492.78,4333.34
  L1 w30: SW58.A@657.19,1897 718.19,1958 1627.44,1958 ; SW59.A@1688.44,1897 1627.44,1958 ; SW60.A@2438.44,1897 2377.44,1958 ; SW61.A@3188.44,1897 3127.44,1958 ; SW62.A@3938.44,1897 3877.44,1958 ; SW63.A@4688.44,1897 4627.44,1958 ; SW64.A@5438.44,1897 5377.44,1958 ; SW65.A@6188.44,1897 6127.44,1958 ; SW66.A@6938.44,1897 6877.44,1958 ; SW67.A@7688.44,1897 7627.44,1958 ; SW68.A@8438.44,1897 8377.44,1958 ; SW69.A@9188.44,1897 9127.44,1958 ; v1(9993,2016) 9935,1958 9127.44,1958 ; v1(10467,2641) 10680.44,2641 SW51.A@10681.44,2640 ; 1627.44,1958 2377.44,1958 ; 2377.44,1958 3127.44,1958 ; 3127.44,1958 3877.44,1958 ; 3877.44,1958 4627.44,1958 ; 4627.44,1958 5377.44,1958 ; 5377.44,1958 6127.44,1958 ; 6127.44,1958 6877.44,1958 ; 6877.44,1958 7627.44,1958 ; 7627.44,1958 8377.44,1958 ; 8377.44,1958 9127.44,1958
  L2 w30: v1(9993,2016) 9993,2165 10468,2640 v1(10467,2641)
NetSW70_A: SW70.A SW76.A SW77.A SW78.A SW79.A SW80.A SW81.A SW82.A SW83.A SW84.A SW85.A SW86.A SW87.A U1.18 | length 28831.1
  L1 w8: SW76.A@845.08,1147 677,1147 145,1679 145,3803.57 224.43,3883 224.6,3883 236.6,3895 9611.4,3895 9768.4,3738 10193.6,3738 10350.6,3895 10762.4,3895 10928.4,3729 11081.6,3729 11241.6,3889 13314.1,3889 13477.04,4051.94 U1.18@13477.04,4333.34
  L1 w30: SW76.A@845.08,1147 905.08,1207 2003.94,1207 ; SW77.A@2063.94,1147 2003.94,1207 ; SW78.A@2813.94,1147 2753.94,1207 ; SW79.A@3563.94,1147 3503.94,1207 ; SW80.A@4313.94,1147 4253.94,1207 ; SW81.A@5063.94,1147 5003.94,1207 ; SW82.A@5813.94,1147 5753.94,1207 ; SW83.A@6563.94,1147 6503.94,1207 ; SW84.A@7313.94,1147 7253.94,1207 ; SW85.A@8063.94,1147 8003.94,1207 ; SW86.A@8813.94,1147 8753.94,1207 ; v1(9703,1899) 10405.19,1899 SW70.A@10407.19,1897 ; SW87.A@10222.44,1147 10162.44,1207 v1(9859,1207) 8753.94,1207 ; 2003.94,1207 2753.94,1207 ; 2753.94,1207 3503.94,1207 ; 3503.94,1207 4253.94,1207 ; 4253.94,1207 5003.94,1207 ; 5003.94,1207 5753.94,1207 ; 5753.94,1207 6503.94,1207 ; 6503.94,1207 7253.94,1207 ; 7253.94,1207 8003.94,1207 ; 8003.94,1207 8753.94,1207
  L2 w30: v1(9703,1899) 9701,1899 9626,1824 9626,1440 v1(9859,1207)
NetSW88_A: SW88.A SW89.A SW90.A SW91.A SW92.A SW93.A SW103.A SW104.A SW105.A SW106.A U1.24 | length 12163.7
  L1 w8: U1.24@13571.52,4333.34 13571.52,3989.97 v3(13610,3951.5) ; v3(14143,3335) 14246,3335 v3(14271,3310)
  L1 w30: SW103.A@11625.94,397 11682.94,454 12318.94,454 ; SW88.A@11625.94,1147 11680.94,1202 12320.94,1202 ; SW104.A@12375.94,397 12318.94,454 ; SW89.A@12375.94,1147 12320.94,1202 ; SW90.A@13125.94,1147 13070.94,1202 ; SW105.A@13500.94,397 13443.94,454 ; SW91.A@13875.94,1147 13820.94,1202 ; SW106.A@14625.94,397 14570.94,452 14912,452 14914,454 ; SW92.A@14625.94,1147 14570.94,1202 ; 15228,772 14798,1202 14570.94,1202 ; SW93.A@15387.76,765.35 15230.65,765.35 15228,768 14914,454 ; 12318.94,454 13443.94,454 ; 12320.94,1202 13070.94,1202 ; 13070.94,1202 13820.94,1202 ; 13443.94,454 14914,454 ; 13820.94,1202 v1(14270,1202) 14570.94,1202
  L2 w8: v3(13610,3951.5) 13727.3,3951.5 14042,3636.8 14042,3436 v3(14143,3335) ; v1@14268,1202 v3@14268,3310
pads on no net: E1. OLED1. OLED1.6 R52.1 SW1. SW2. SW3. SW4. SW5. SW6. SW7. SW8. SW9. SW10. SW11. SW12. SW13. SW14. SW15. SW16. SW17. SW18. SW19. SW20. SW21. SW22. SW23. SW24. SW25. SW26. SW27. SW28. SW29. SW30. SW31. SW32. SW33. SW34. SW35. SW36. SW37. SW38. SW39. SW40. SW41. SW42. SW43. SW44. SW45. SW46. SW47. SW48. SW49. SW50. SW51. SW52. SW53. SW54. SW55. SW56. SW57. SW58. SW59. SW60. SW61. SW62. SW63. SW64. SW65. SW66. SW67. SW68. SW69. SW70. SW71. SW72. SW73. SW74. SW75. SW76. SW77. SW78. SW79. SW80. SW81. SW82. SW83. SW84. SW85. SW86. SW87. SW88. SW89. SW90. SW91. SW92. SW93. SW94. SW95. SW96. SW97. SW98. SW99. SW100. SW101. SW102. SW103. SW104. SW105. SW106. U2.2 U2.3 U2.4 U2.8 U2.9 U2.10 U2.11 U2.17 USB1.A2 USB1.A3 USB1.A8 USB1.A10 USB1.A11 USB1.B2 USB1.B3 USB1.B8 USB1.B10 USB1.B11

## Polygon pours and split planes (outlines as drawn)
3V3 on L1 "L1-3V3" (solid, remove dead copper, pour order 4): 14850.81,4912.02 14850.81,4071.31 14066.81,4058.4 14066.81,4912.02
5V on L1 "L1-No Net" (solid, remove dead copper, pour order 18): 15430.43,4142 13483,4142 13483,3838 15430.43,3838
no net on L1 "L1-No Net 1" (solid, pour order 16): 13534.95,3896
5V on L1 "L1-5V 1" (solid, pour order 14): 13274,4162 13445.36,4162 13445.36,4068.47 13309.89,3933 13274,3933
5V on L1 "L1-5V" (solid, remove dead copper, pour order 12): 15265,4578.86 15805.46,4578.86 15805.46,4306 15265,4306
NetF1_1 on L1 "L1-NetF1_1" (solid, remove dead copper, pour order 10): 15803.24,4598 15803.35,4735.5 15803.38,4775 15265,4775 15265,4598
GND on L2 "L2-GND" (solid, remove dead copper, pour order 8): 16295.54,5119 16295.54,3796 13056,3796 13056,5119
5V on L2 "L2-5V" (solid, remove dead copper, pour order 6): 15349,4367 15349,3843.45 15430,3843.45 15430,4367

## Keep-outs
L1:
  lines w5: 13485,3902.13 13595.5,3901.44 13633.5,3939.44 13633.5,3972.66 13625.49,3980.67 13599.83,3980.67 13584.5,3996 13584.5,4043 ; 13633.84,4049.06 13691.5,4049
L2:
  lines w5: 14245.88,4272 14274.93,4272 ; 14818.5,4533 14818.5,4288 15037.5,4288 15037.5,4875.44 14818.5,4875.44 14818.5,4647.05

## Other copper
L1:
  region: 15309.5,4473
  region: 14012.11,4342.54
L2:
  region net NetLED4_B: 5846,2494.98
  region net NetLED4_B: 6202,1569
  region net NetLED4_R: 6230,1569
  region net NetLED2_R: 4384,83.5
  region: 5266,123
  region net NetR40_2: 5247,119.5
  region net NetR40_2: 5247,119.5
  region net NetR23_1: 221,3335.98

## Silkscreen, mask and mechanical layers (free items; w line width, h text height)
Top Overlay:
  text "SCL" at 14533.49,5006 h32 r90
  text "SDA" at 14590.49,5004 h32 r90
Mechanical 1:
  circle w5: c213,4903 r123.03
  circle w5: c146,143 r123.03
  circle w5: c15769,156 r123.03
  circle w5: c12945,4131 r123.03
  lines w5: 15217.5,5110.92 15217.5,5119 ; 15583.64,5110.92 15583.64,5119 ; 15217.5,5119 15217.5,4906.24 ccw(c15217.5,4894.43) 15217.5,4882.61 15583.64,4882.61 ccw(c15583.64,4894.43) 15583.64,4906.24 15583.64,5119 ; 15217.5,5119 0,5119 0,0 15928,0 15928,3927 16164.22,3927 16164.22,4218 15686.69,4218 15686.69,5119 15583.64,5119
Mechanical 30:
  drawing of 684 lines, arcs and shapes, not listed

## Text inside footprints (layer, text, board x,y; h text height)
J1: Top Overlay "RESET" at 14324.5,4746 h32 r90; Top Overlay "SWCLK" at 14277.5,4746 h32 r90; Top Overlay "SWDIO" at 14225.5,4747 h32 r90; Top Overlay "GND" at 14174.5,4806 h32 r90; Top Overlay "VCC" at 14123.5,4810.33 h32 r90